# Altium PCB Einsy_Rambo.PcbDoc (part 4 of 5)
Units mm, origin at the board's own origin, x right, y up, seen from the top; angles counter-clockwise.
Board outline 105 x 71 mm, 6 copper layers (Top, GND, Signal Layer 1, Supply, Signal Layer 2, Bottom), stack 1.571 mm thick; 417 components, 292 nets, 1436 pads, 925 vias.
Unrouted connection lines stored in the file: 3.
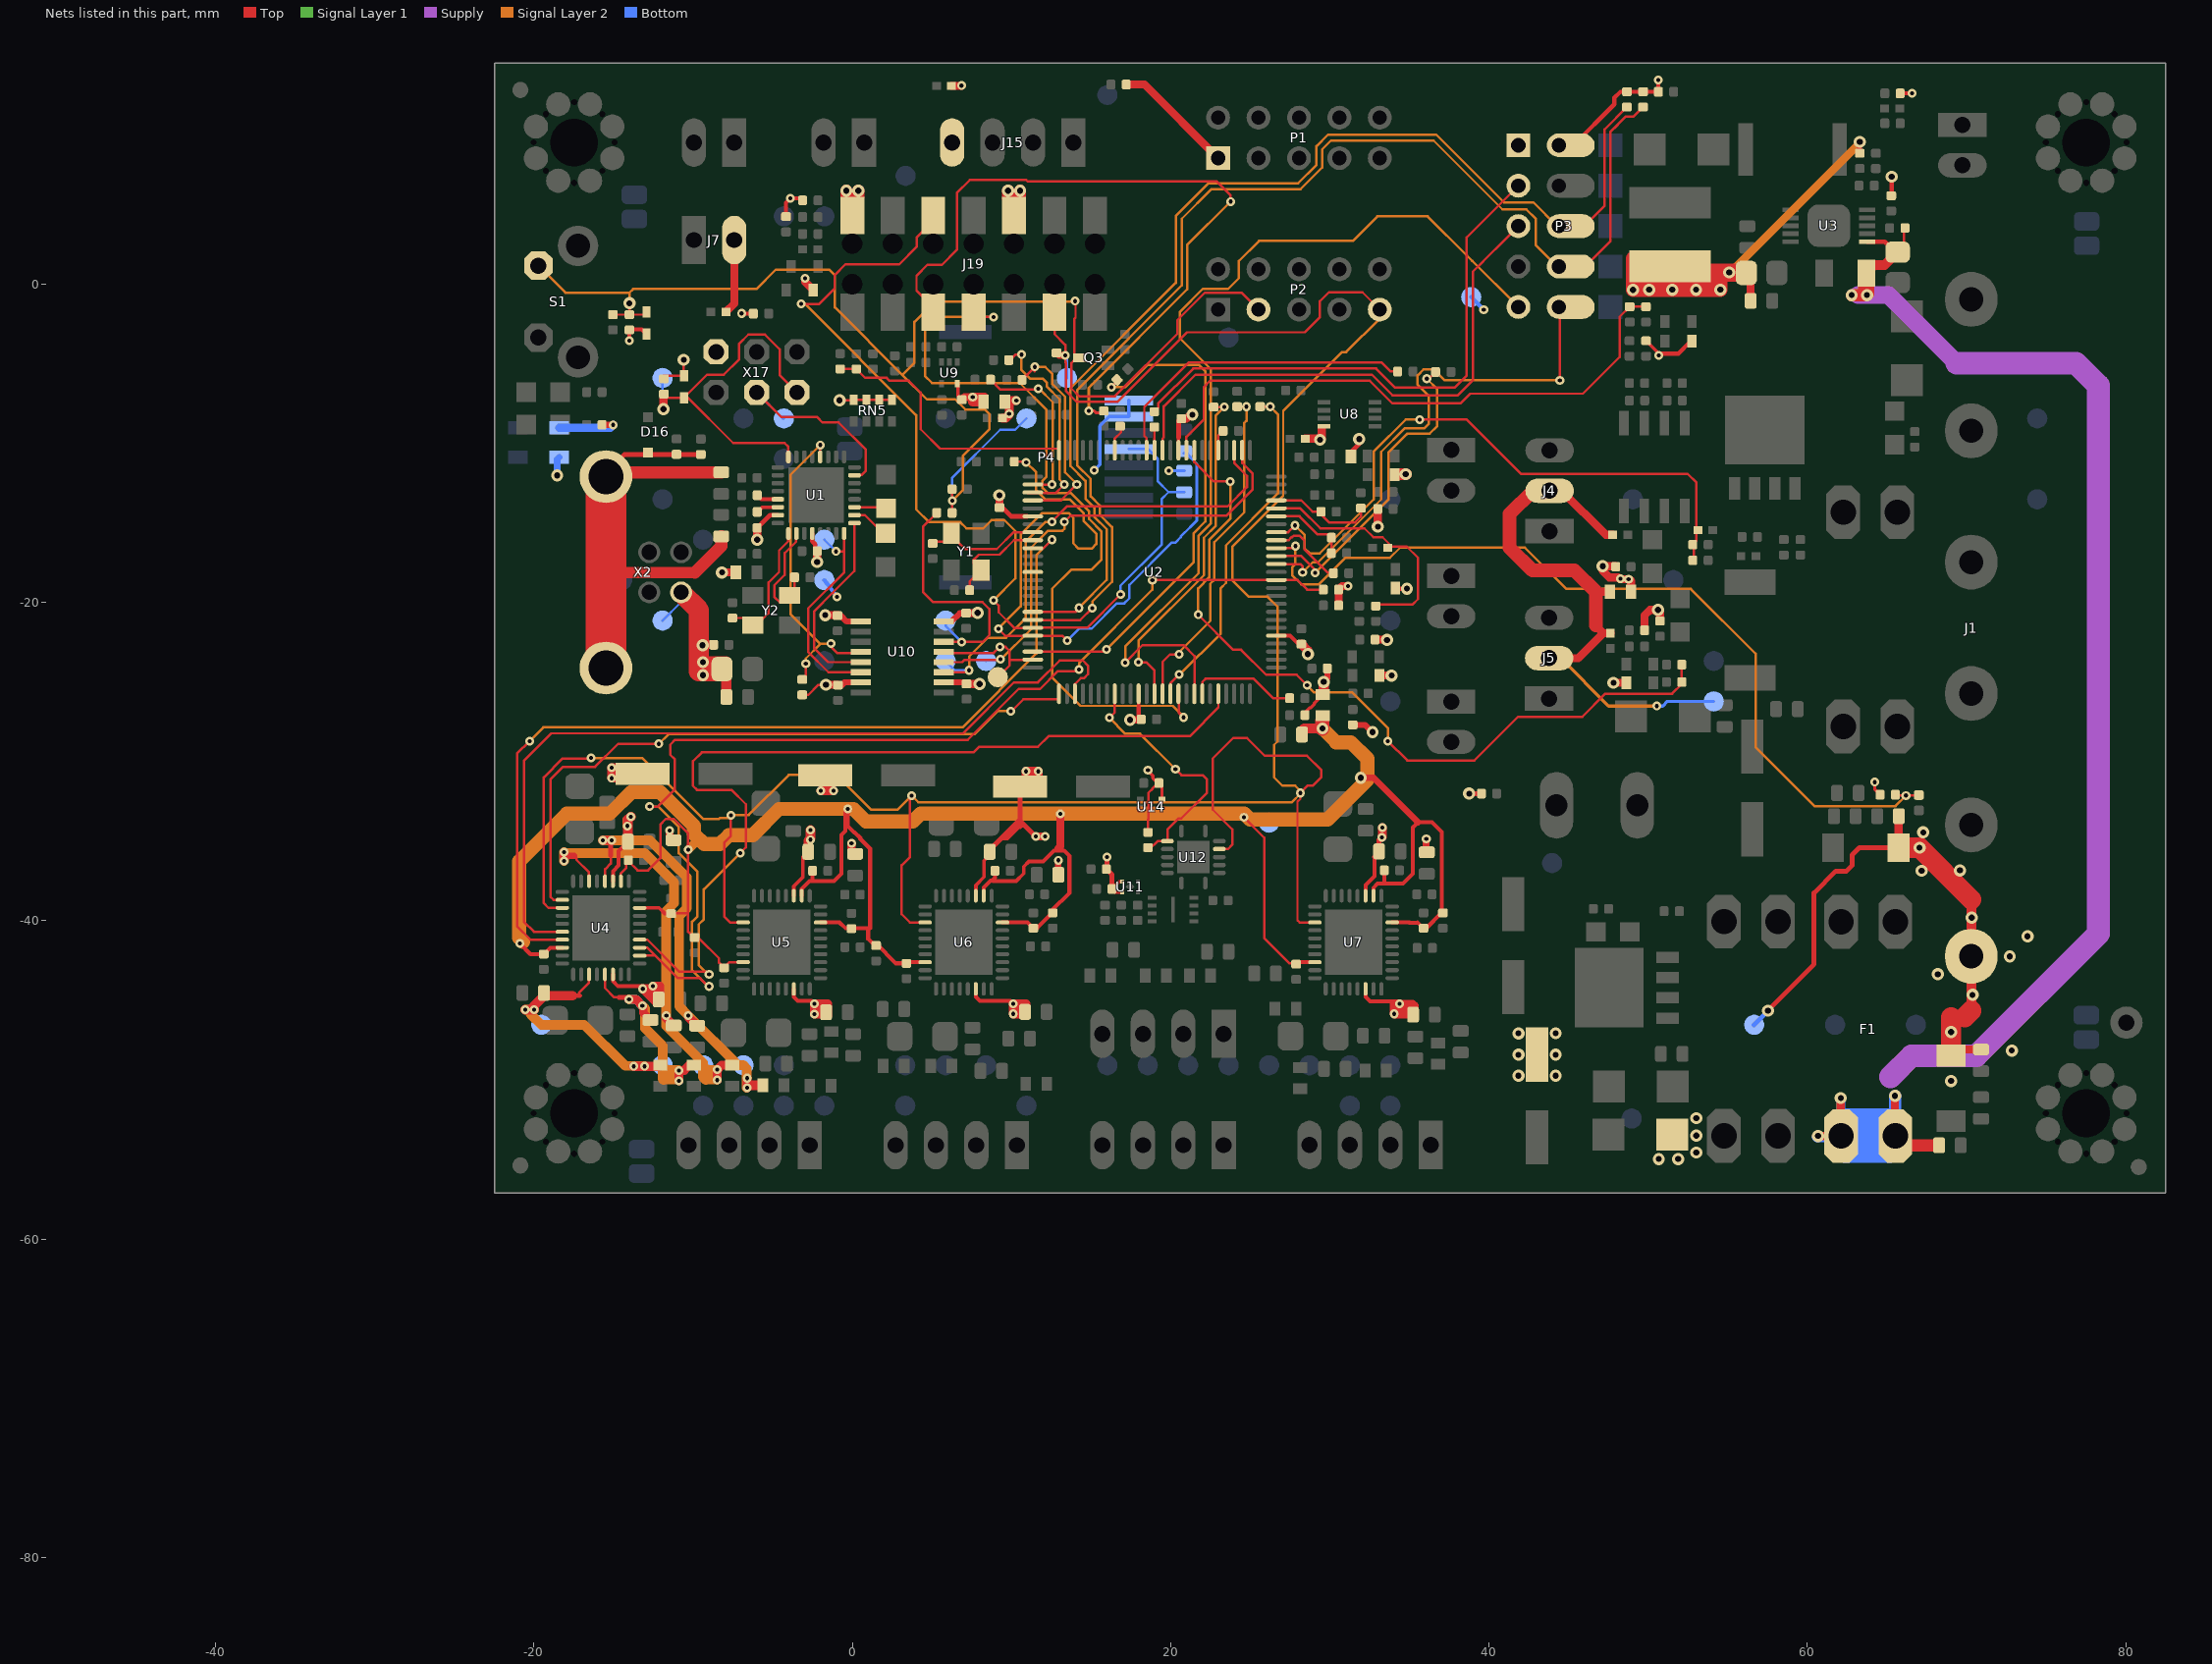
[diagram p8: the nets of this part, all layers, seen from the top]

## Via types
v1: diameter 0.559, hole 0.254, Top to Bottom, tented both sides, 329 vias
v2: diameter 0.559, hole 0.254, Top to Bottom, 314 vias
v3: diameter 0.762, hole 0.381, Top to Bottom, 232 vias
v4: diameter 0.762, hole 0.381, Top to Bottom, tented both sides, 42 vias
v5: diameter 0.737, hole 0.381, Top to Bottom, tented both sides, 4 vias
v6: diameter 0.813, hole 0.381, Top to Bottom, tented both sides, 4 vias

## Nets (pads, with @x,y where several pads share a name; then routed paths per layer and width w, separated by ;. In a path a pad name is that pad's centre, name@x,y a point inside that pad or via, vN(x,y) a via of type N, cw(c..) or ccw(c..) an arc to the next point about the centre after c; other vN are vias at no path point) (continued)
nRESET: C1.1 C10.2 D3.A P2.3 Q3.3 R46.1 RV24.1 S1.1 TP37.TP | length 89.2
  Top w0.152: C1.1@-15.043,-1.919 D3.A@-13.109,-1.919 ; R46.1@-14.278,-1.919 R46.1@-14.103,-1.745 ; R46.1@-14.002,-1.914 v3(-14.002,-1.2) ; C10.2@6.267,-14.37 6.267,-13.621 v1@6.27,-13.618 ; RV24.1@6.27,-12.884 v1@6.27,-13.618 ; v1(6.274,-13.614) v1@6.27,-13.618 ; v1(13.995,-1.067) 14.025,-1.096 14.025,-2.1 13.938,-2.187 13.938,-4.787 13.765,-4.96 13.765,-6.562 14.247,-7.044 16.496,-7.044 20.425,-3.115 20.425,-2.265 22.15,-0.54 24.454,-0.54 P2.3@25.521,-1.607
  Signal Layer 2 w0.152: S1.1@-19.724,1.161 -18.029,-0.533 -13.995,-0.533 ; v3(-14.002,-1.2) -14.002,-0.54 -13.995,-0.533 ; v1(6.274,-13.614) 6.934,-12.954 6.934,-10.791 8.625,-9.1 8.625,-8.175 8.325,-7.875 7.1,-7.875 6.463,-7.238 4.687,-7.238 3.15,-5.7 ; v1(13.995,-1.067) 13.964,-1.099 5.176,-1.099 3.9,-2.375 3.9,-4.95 3.15,-5.7 ; -13.995,-0.533 -13.767,-0.305 -6.02,-0.305 -4.801,0.914 -1.448,0.914 -1.092,0.559 -1.092,-1.458 3.15,-5.7
  Bottom w0.152: v1(6.274,-13.614) 6.274,-12.167 9.29,-9.15 10.23,-9.15 TP37.TP@10.941,-8.439
PC5: R83.2 U2.58 U12.9 | length 15.7
  Top w0.152: v1(16.15,-27.25) 16.487,-26.913 U2.58@16.487,-25.741 ; R83.2@18.7,-35.483 19.183,-35 U12.9@19.794,-35 19.794,-34.272 20.501,-33.565 20.674,-33.565 22.289,-31.95 22.289,-31.114 22.025,-30.85 20.675,-30.85 v1(20.3,-30.475)
  Signal Layer 2 w0.152: v1(16.15,-27.25) 17.15,-28.25 18.075,-28.25 v1(20.3,-30.475)
PD5: FB27.2 U2.48 | length 32.3
  Top w0.152: U2.48@10.987,-23.095 15.818,-23.095 v1(15.97,-22.943) ; v1(16.275,-6.475) 16.634,-6.116 FB27.2@16.634,-6.016
  Signal Layer 2 w0.152: v1(15.97,-22.943) 21.429,-17.484 21.429,-15.664 22.175,-14.918 22.175,-5.475 21.775,-5.075 18.55,-5.075 17.15,-6.475 v1(16.275,-6.475)
PE3: FB37.2 U2.5 | length 1.4
  Top w0.152: U2.5@22.987,-10.441 22.987,-9.549 22.978,-9.539 FB37.2@23.292,-9.225
PF5: FB28.1 U2.92 | length 5.2
  Top w0.152: U2.92@26.637,-16.091 27.416,-16.091 27.607,-15.9 27.635,-15.9 27.737,-15.799 28.092,-15.799 28.398,-16.104 28.398,-16.662 29.857,-18.122 FB28.1@30.377,-18.122
PF6: R60.1 RT1.2 U2.91 | length 54.9
  Top w0.152: U2.91@26.637,-16.591 27.706,-16.591 v1(27.838,-16.459) ; R60.1@65.481,-32.106 65.507,-32.131 v1(66.192,-32.131) 66.98,-32.131 RT1.2@67.005,-32.106
  Signal Layer 2 w0.152: v1(27.838,-16.459) 27.838,-17.602 27.635,-17.805 27.635,-18.298 28.194,-18.857 29.327,-18.857 30.988,-17.196 33.782,-17.196 34.428,-16.55 42.255,-16.55 44.856,-19.152 52.68,-19.152 56.744,-23.216 56.744,-29.083 60.452,-32.791 65.532,-32.791 v1(66.192,-32.131)
PF7: FB26.1 U2.90 | length 20.3
  Top w0.152: U2.90@26.988,-17.091 28.204,-17.091 29.077,-17.964 v2@29.077,-18.117 ; v1(36.093,-5.944) 36.223,-5.944 FB26.1@36.648,-5.518
  Signal Layer 2 w0.152: v2(29.077,-18.142) 33.68,-13.538 33.68,-10.592 34.849,-9.423 34.872,-9.4 36.269,-9.4 ; v1(36.093,-5.944) 36.754,-6.604 36.754,-8.915 36.269,-9.4 ; 36.65,-9.019 36.269,-9.4
PG3: FB31.2 U2.28 | length 13.3
  Top w0.152: FB31.2@9.833,-4.775 9.919,-4.775 10.265,-4.429 v1(10.625,-4.429) ; U2.28@10.987,-13.091 11.034,-13.138 12.77,-13.138 13.303,-12.605 v1@13.361,-12.605
  Signal Layer 2 w0.152: v1(10.625,-4.429) 10.625,-5.398 11.177,-5.95 11.982,-5.95 12.211,-6.179 12.211,-6.433 13.02,-7.242 13.02,-12.275 v1(13.324,-12.579)
PG4: FB29.2 U2.29 | length 13.7
  Top w0.152: FB29.2@10.662,-6.026 11.335,-5.353 v1@11.449,-5.467 ; U2.29@10.987,-13.591 13.104,-13.591 14.095,-12.601 v1(14.101,-12.601)
  Signal Layer 2 w0.152: v1(11.475,-5.2) 12.121,-5.2 12.567,-5.645 12.567,-6.28 ; 12.567,-6.128 12.567,-6.28 ; v1(14.101,-12.601) 14.101,-12.564 13.371,-11.834 13.371,-7.085 12.567,-6.28
PH2: FB24.1 U2.14 | length 19.7
  Top w0.152: U2.14@18.487,-10.091 18.487,-9.675 18.343,-9.531 18.343,-7.712 21.121,-4.934 33.268,-4.934 33.827,-5.493 FB24.1@34.266,-5.493
PH6: FB25.2 U2.18 | length 1.8
  Top w0.152: U2.18@16.487,-10.441 16.487,-9.702 16.875,-9.314 FB25.2@16.875,-8.85
PH7: FB30.1 U2.27 | length 11.2
  Top w0.152: FB30.1@8.678,-6.001 9.313,-6.636 11.627,-6.636 v1(11.678,-6.585) ; U2.27@10.987,-12.591 12.413,-12.591 v1@12.421,-12.599
  Signal Layer 2 w0.152: v1(11.678,-6.585) 11.754,-6.585 12.593,-7.424 12.593,-12.523 v1(12.537,-12.579) ; v1@12.421,-12.599 v1@12.421,-12.579
PJ2: FB33.1 U2.65 | length 22
  Top w0.152: U2.65@20.003,-26.092 20.003,-25.056 v1(20.523,-24.536) ; FB33.1@25.622,-7.7 v2(26.255,-7.7)
  Signal Layer 2 w0.152: v1(20.523,-24.536) 20.574,-24.536 23.15,-21.96 23.15,-19.1 23.475,-18.775 23.475,-16.42 26.74,-13.155 26.74,-8.185 v2(26.255,-7.7)
PJ3: J19.7 U2.66 | length 49.8
  Top w0.152: J19.7@7.182,-2.064 v1(8.884,-2.064) ; U2.66@20.511,-26.092 20.511,-26.936 v1(20.8,-27.225)
  Signal Layer 2 w0.152: v1(8.884,-2.064) 5.145,-2.064 4.56,-2.649 4.56,-5.768 5.012,-6.22 10.525,-6.22 12.186,-7.881 12.186,-12.121 11.957,-12.351 11.957,-12.808 12.287,-13.138 13.739,-13.138 14.878,-14.277 14.878,-14.762 15.655,-15.539 15.655,-17.309 15.014,-17.95 13.75,-17.95 12.555,-19.145 12.555,-24.709 14.345,-26.499 20.124,-26.499 20.8,-27.175 v1(20.8,-27.225)
PJ5: P3.9 U2.68 | length 59.6
  Top w0.152: v2(17.145,-23.774) 18.237,-22.682 20.803,-22.682 21.502,-23.382 U2.68@21.502,-26.092
  Signal Layer 2 w0.152: v2(17.145,-23.774) 17.145,-22.769 21.759,-18.154 21.759,-15.801 22.511,-15.049 22.511,-6.047 22.525,-6.033 22.525,-5.35 20.59,-3.415 20.59,-1.735 22.025,-0.3 23.607,-0.3 24.282,0.375 24.282,1.448 25.552,2.718 31.445,2.718 32.988,4.261 36.148,4.261 38.621,1.788 38.621,1.78 38.941,1.46 38.948,1.46 41.743,-1.335 P3.9@41.743,-1.436
PK0: P3.10 U2.89 | length 32.7
  Top w0.152: U2.89@26.988,-17.591 28.158,-17.591 28.296,-17.729 28.296,-18.11 v1(28.289,-18.117) ; P3.10@44.283,-1.436 44.45,-1.603 v1(44.45,-6.045)
  Signal Layer 2 w0.152: v1(28.289,-18.117) 28.925,-17.481 29.271,-17.481 33.223,-13.528 33.223,-10.541 34.696,-9.068 35.916,-9.068 36.22,-8.763 36.22,-7.036 35.509,-6.325 35.509,-5.74 35.89,-5.359 36.525,-5.359 37.211,-6.045 v1(44.45,-6.045) v1@44.431,-6.026
PROC_nCS: J19.5 R34.1 | length 46.3
  Top w0.152: J19.5@5.188,-1.569 4.032,-0.413 4.032,0.527 4.718,1.213 5.632,1.213 6.572,2.153 ; 6.572,2.965 6.572,2.153 ; v1(23.762,5.188) 23.762,5.575 22.876,6.461 11.002,6.461 10.916,6.547 7.385,6.547 6.572,5.734 6.572,2.153
  Top w0.178: v1(14.85,-7.975) 15.2,-7.975 15.3,-8.075 R34.1@15.8,-8.075
  Signal Layer 2 w0.152: 15.036,-6.325 21.032,-0.329 21.032,2.458 v1(23.762,5.188)
  Signal Layer 2 w0.178: v1(14.85,-7.975) 14.85,-6.511 15.036,-6.325
PWR-IN: C84.1 C86.1 FB1.1 FB2.1 J1.1 TP66.TP | length 35.6
  Top w0.305: v3(57.525,-45.65) 57.525,-45.625 60.42,-42.729 60.42,-38.259 61.792,-36.887 62.452,-36.887 62.808,-36.532 62.808,-35.871 63.265,-35.414 FB2.1@65.731,-35.414
  Top w0.508: FB2.1@65.731,-35.414 65.731,-33.45 C86.1@65.748,-33.433 ; FB1.1@69.031,-48.467 69.403,-48.094 C84.1@70.91,-48.094
  Top w0.61: 70.301,-45.65 J1.1@70.301,-42.262 ; J1.1@70.301,-41.263 70.301,-38.665
  Top w1.27: FB2.1@65.731,-35.414 v3(67.05,-35.414) 70.301,-38.665 ; FB1.1@69.031,-48.467 v3(69.031,-46.996) 69.031,-46.057 ; 69.894,-46.057 70.301,-45.65
  Bottom w0.305: TP66.TP@56.661,-46.539 v3@57.537,-45.663
  other v3: 69.031,-50.07 72.847,-48.158 70.377,-44.66 68.193,-43.364 72.714,-42.247 73.831,-40.977 70.326,-39.808 67.177,-36.862 69.59,-36.836 67.278,-34.449
PWR_MON: C121.1 R53.1 R66.1 U2.93 | length 39.8
  Top w0.152: U2.93@26.637,-15.591 27.386,-15.591 v2(27.813,-15.164) ; v2(35.655,-8.515) 38.602,-8.515 42.005,-11.919 52.47,-11.919 53.029,-12.478 53.029,-16.11 R53.1@52.705,-16.434 ; R66.1@52.752,-17.355 52.864,-17.243 R53.1@52.864,-16.364
  Signal Layer 2 w0.152: v2(27.813,-15.164) 28.423,-15.773 28.423,-16.612 28.727,-16.916 29.368,-16.916 32.753,-13.531 32.753,-10.528 34.766,-8.515 v2(35.655,-8.515)
RD+: R2.2 U1.29 | length 1.4
  Top w0.229: R2.2@-5.975,-13.265 -5.725,-13.515 U1.29@-4.68,-13.515
RD-: R1.2 U1.30 | length 1.5
  Top w0.229: R1.2@-5.999,-14.376 -5.638,-14.015 U1.30@-4.68,-14.015
RESET2: D4.A R47.1 TP44.TP U1.24 X17.5 | length 24.1
  Top w0.152: -11.868,-7.225 -11.798,-7.155 D4.A@-10.568,-7.155 -10.568,-7.139 -9.125,-5.696 -8.084,-5.696 -7.105,-4.717 -7.105,-3.739 -6.533,-3.167 -5.493,-3.167 -4.565,-4.095 -4.565,-5.707 X17.5@-3.473,-6.799 ; D4.A@-10.441,-7.028 -7.489,-9.98 -4.254,-9.98 -4.02,-10.215 U1.24@-4.02,-10.852
  Top w0.508: v4(-11.868,-7.855) -11.868,-7.225
  Signal Layer 2 w0.152: v4@-11.919,-7.804 v4(-11.868,-7.855)
  Bottom w0.152: v4@-11.919,-7.804 TP44.TP@-11.919,-5.899
RST-IO: C10.1 TP29.TP U10.14 | length 16.4
  Top w0.152: C10.1@5.31,-14.37 4.445,-15.235 4.445,-19.355 5.08,-19.99 8.179,-19.99 8.611,-20.422 8.611,-22.047 8.186,-22.472 U10.14@5.737,-22.472
  Bottom w0.152: TP29.TP@5.861,-21.139 5.861,-21.469 v1(6.877,-22.485)
RX0: TP30.TP U2.2 U10.12 | length 31.9
  Top w0.152: U10.12@5.737,-23.754 6.903,-23.754 7.055,-23.603 v1@9.315,-23.603 ; v1(13.329,-14.942) 13.735,-14.535 ; 14.472,-14.535 13.735,-14.535 ; U2.2@24.499,-10.091 24.499,-11.249 25.15,-11.9 25.15,-12.903 23.518,-14.535 13.735,-14.535
  Signal Layer 2 w0.152: v1@9.315,-23.603 11.234,-21.684 11.234,-16.553 12.287,-15.5 13.202,-15.5 13.329,-15.373 v1(13.329,-14.942)
  Bottom w0.152: TP30.TP@8.401,-23.679 8.477,-23.603 v1@9.315,-23.603
  other v1: 9.315,-23.578
RX0-I: TP25.TP U1.9 U10.5 | length 13.9
  Top w0.152: v1(-0.972,-19.641) -1.226,-19.387 ; U1.9@0.142,-15.006 U1.9@0.133,-15.015 0.133,-18.028 -1.226,-19.387 ; U10.5@0.521,-23.754 -1.519,-23.754 -2.39,-22.883 -2.39,-20.551 -1.226,-19.387
  Signal Layer 2 w0.254: v1@-0.997,-19.615 v1(-0.972,-19.641)
  Bottom w0.254: TP25.TP@-1.759,-18.599 v1@-0.997,-19.615
RX1: J19.6 P4.4 R86.1 R87.2 U2.45 | length 62.3
  Top w0.152: v1(-3.226,-1.245) -2.083,-1.245 -1.118,-0.279 -1.118,0.559 -0.432,1.245 2.946,1.245 4.039,2.337 4.039,2.921 5.207,4.089 J19.6@5.283,4.089 ; v1(8.865,-19.863) 9.197,-20.195 9.197,-20.625 10.169,-21.596 U2.45@10.987,-21.596 ; U2.45@11.337,-21.591 14.759,-21.591 v1(16.85,-19.5)
  Signal Layer 2 w0.152: v1(-3.226,-1.245) -2.972,-1.245 4.013,-8.23 4.013,-14.148 4.826,-14.961 6.782,-14.961 7.171,-15.35 8.225,-15.35 8.75,-14.825 9.55,-14.825 10.244,-15.519 10.244,-18.484 v1(8.865,-19.863)
  Bottom w0.152: v1(16.85,-19.5) 16.85,-18.95 19.425,-16.375 19.425,-13.515 19.87,-13.07 ; P4.4@17.375,-10.365 18.58,-10.365 19.2,-10.985 19.2,-12.4 19.87,-13.07 ; R87.2@20.85,-13.07 19.87,-13.07
RX2: P3.5 U2.12 | length 35.7
  Top w0.152: U2.12@19.487,-10.441 19.487,-9.705 19.572,-9.621 19.572,-7.683 21.559,-5.696 32.645,-5.696 33.934,-6.985 38.049,-6.985 38.983,-6.052 38.983,0.782 ; 39.643,1.442 38.983,0.782 ; P3.5@41.743,3.644 41.743,3.542 38.983,0.782
RX3: FB36.1 U2.63 | length 22
  Top w0.152: v1(17.977,-23.755) 18.459,-23.755 18.987,-24.283 U2.63@18.987,-26.092 ; FB36.1@22.701,-7.725 v2(23.359,-7.725)
  Signal Layer 2 w0.152: v1(17.977,-23.755) 17.977,-22.404 22.09,-18.291 22.09,-15.938 22.842,-15.186 22.842,-8.243 v2(23.359,-7.725)
RXL: LED10.C U1.10 | length 2.4
  Top w0.152: U1.10@0.133,-14.515 0.787,-14.515 1.929,-15.657 LED10.C@2.096,-15.657
SCK: J19.11 P2.9 RV18.2 TP55.TP U4.3 U5.3 U6.3 U7.3 U12.5 | length 174.2
  Top w0.152: U4.3@-18.214,-39.192 -19.089,-39.192 -19.387,-38.894 -19.387,-30.994 -18.193,-29.801 -16.415,-29.801 v1(-16.415,-29.775) ; v1@-7.652,-33.357 -7.652,-34.703 -8.03,-35.081 -8.03,-39.761 -7.684,-40.106 U5.3@-6.851,-40.106 ; v1(3.727,-32.137) 3.626,-32.239 3.626,-35.998 3.105,-36.519 3.105,-39.592 3.619,-40.106 U6.3@4.579,-40.106 ; J19.11@12.7,-1.765 12.7,-3.139 13.386,-3.825 v1@13.386,-4.477 ; v1@13.386,-4.483 13.386,-4.904 13.409,-4.927 13.409,-6.709 14.1,-7.4 16.643,-7.4 21.014,-3.029 28.416,-3.029 29.381,-2.064 29.381,-1.073 29.94,-0.514 32.048,-0.514 P2.9@33.141,-1.607 ; U12.5@23.056,-35.5 23.6,-35.5 23.875,-35.225 23.875,-34.253 22.644,-33.022 22.644,-29.803 23.928,-28.519 24.797,-28.519 25.908,-29.631 28.556,-29.631 29.475,-30.55 29.475,-30.975 28.95,-31.5 28.625,-31.5 v1(28.15,-31.975) 28.15,-32.34 27.965,-32.525 27.965,-39.967 28.105,-40.106 U7.3@29.065,-40.106
  Top w0.406: RV18.2@12.825,-4.317 12.984,-4.477 v1(13.379,-4.477)
  Signal Layer 2 w0.152: v1(-16.415,-29.775) -13.202,-29.775 -9.373,-33.604 -8.382,-33.604 -8.331,-33.553 -7.798,-33.553 v1(-7.62,-33.376) ; v1@-7.62,-33.357 -6.509,-33.357 -3.994,-30.842 -0.997,-30.842 1.187,-33.026 2.838,-33.026 v1(3.727,-32.137) 4.146,-32.557 27.591,-32.557 27.603,-32.569 28.198,-31.975 v1(28.15,-31.975) 28.15,-31.946 28.2,-31.896 27.829,-31.525 27.025,-31.525 26.5,-31 26.5,-28.95 26.714,-28.736 26.714,-20.263 26.092,-19.641 24.911,-19.641 23.87,-18.599 23.87,-16.505 27.07,-13.305 27.07,-7.972 30.769,-4.274 31.026,-4.274 33.141,-2.159 P2.9@33.141,-1.607 ; v1(13.379,-4.477) v1@13.481,-4.578
  Bottom w0.152: TP55.TP@13.481,-5.899 v1@13.481,-4.578
SCK2: TP45.TP U1.15 X17.3 | length 13.4
  Top w0.152: X17.3@-5.507,-6.799 X17.3@-6.013,-6.799 -4.449,-8.363 -2.208,-8.363 -1.886,-8.685 -0.868,-8.685 0.844,-10.397 0.844,-11.72 0.569,-11.995 U1.15@0.133,-11.995
  Bottom w0.152: X17.3@-6.013,-6.799 -4.373,-8.439 TP45.TP@-4.299,-8.439
SCL: P3.6 R61.1 U2.43 | length 73.1
  Top w0.152: U2.43@10.987,-20.606 14.04,-20.606 v1@14.294,-20.352 ; P3.6@44.283,3.644 P3.6@44.385,3.644 45.986,3.644 47.263,4.921 47.263,9.724 ; 48.152,10.613 47.263,9.724 ; R61.1@48.666,11.128 47.263,9.724
  Signal Layer 2 w0.152: v1@14.294,-20.352 14.294,-20.267 15.985,-18.576 15.985,-15.402 15.208,-14.625 15.208,-14.033 14.649,-13.474 14.649,-12.371 13.704,-11.426 13.704,-6.541 20.321,0.076 20.321,4.276 22.389,6.344 28.01,6.344 29.159,7.493 29.159,8.661 29.896,9.398 36.678,9.398 40.945,5.131 42.796,5.131 P3.6@44.283,3.644
  other v1: 14.249,-20.345
SD_SS: FB34.2 U2.69 | length 7.2
  Top w0.152: U2.69@21.987,-25.741 21.987,-25.005 22.194,-24.798 25.217,-24.798 26.435,-26.016 FB34.2@27.476,-26.016 ; U2.69@22.01,-26.092 U2.69@22.01,-25.741
SDA: P3.8 R51.1 U2.44 | length 77.8
  Top w0.152: U2.44@10.987,-21.114 14.319,-21.114 v1(15.081,-20.352) ; P3.8@44.283,1.104 P3.8@44.385,1.104 46.036,1.104 47.619,2.686 47.619,9.544 ; 48.101,10.027 47.619,9.544 ; R51.1@49.682,11.128 49.089,10.535 48.609,10.535 47.619,9.544
  Signal Layer 2 w0.152: v1(15.081,-20.352) 15.081,-19.947 16.316,-18.713 16.316,-15.266 15.55,-14.5 15.55,-13.908 14.98,-13.338 14.98,-12.234 14.121,-11.375 14.121,-6.658 20.702,-0.077 20.702,4.111 22.56,5.969 28.169,5.969 29.515,7.315 29.515,8.458 30.074,9.017 36.525,9.017 40.843,4.699 42.342,4.699 42.926,4.115 42.926,2.461 P3.8@44.283,1.104
TACH_0: C42.1 R44.1 U2.8 | length 50.9
  Top w0.152: U2.8@21.487,-10.441 21.487,-11.178 22.71,-12.4 v1(23.75,-12.4) ; U2.8@21.502,-10.441 U2.8@21.502,-10.091 ; v1(21.725,-20.775) 23.925,-22.975 24.423,-22.975 25.991,-24.543 27.908,-24.543 v1(28.569,-25.203) ; v1(33.649,-28.708) 34.868,-29.928 39.084,-29.928 41.827,-27.184 45.866,-27.184 47.314,-25.737 51.505,-25.737 52.112,-25.13 R44.1@52.112,-25 52.112,-23.913 C42.1@52.107,-23.908
  Signal Layer 2 w0.152: v1(21.725,-20.775) 21.725,-19.123 22.42,-18.428 22.42,-16.074 23.75,-14.744 v1(23.75,-12.4) ; v1(28.569,-25.203) 29.026,-25.66 31.413,-25.66 33.649,-27.896 v1(33.649,-28.708)
TACH_1: C43.1 R45.1 U2.9 | length 36.6
  Top w0.152: U2.9@20.994,-10.091 20.994,-9.588 22.075,-8.507 22.075,-6.475 22.483,-6.066 32.508,-6.066 33.934,-7.493 38.202,-7.493 38.811,-6.883 45.898,-6.883 48.209,-4.572 48.209,-2.047 R45.1@48.838,-1.419 ; R45.1@48.857,-1.424 C43.1@49.868,-1.424
THERM0: C59.1 R6.2 U2.97 | length 6.3
  Top w0.152: U2.97@26.988,-13.591 28.209,-13.591 28.917,-14.299 C59.1@29.446,-14.299 29.446,-14.473 29.94,-14.967 31.591,-14.967 31.947,-14.611 R6.2@31.947,-14.078 R6.2@31.972,-14.103
THERM1: C56.1 R37.2 U2.96 | length 15.3
  Top w0.152: U2.96@26.988,-14.091 28.15,-14.091 29.407,-15.348 32.175,-15.348 32.734,-15.907 33.318,-15.907 33.903,-16.491 34.83,-16.491 35.535,-17.196 35.535,-19.793 35.204,-20.123 32.988,-20.123 R37.2@32.887,-20.225
  Top w0.254: R37.2@32.887,-20.326 R37.2@32.937,-20.276
THERM2: C4.1 R39.2 U2.95 | length 4.6
  Top w0.152: U2.95@26.988,-14.591 28.091,-14.591 29.229,-15.729 29.897,-15.729 C4.1@30.1,-15.932 30.1,-16.89 R39.2@30.093,-16.897
TX0: TP31.TP U2.3 U10.11 | length 33.1
  Top w0.152: U10.11@5.737,-24.389 7.208,-24.389 v1(7.334,-24.263) ; v1(12.541,-14.942) 12.541,-14.916 13.481,-13.976 ; 14.624,-13.976 13.481,-13.976 ; U2.3@23.991,-10.091 23.991,-11.244 24.794,-12.047 24.794,-12.756 23.574,-13.976 13.481,-13.976
  Signal Layer 2 w0.152: v1(7.334,-24.263) 7.334,-23.4 8.509,-22.225 9.652,-22.225 10.904,-20.973 10.904,-16.172 12.135,-14.942 v1(12.541,-14.942)
  Bottom w0.152: TP31.TP@5.861,-23.679 6.445,-24.263 v1(7.334,-24.263)
TX0-I: TP26.TP U1.8 U10.6 | length 13.7
  Top w0.152: v1(-1.022,-16.796) -0.529,-16.796 ; U1.8@-0.517,-15.665 -0.529,-15.677 -0.529,-16.796 ; U10.6@0.521,-24.389 -1.504,-24.389 -2.775,-23.118 -2.775,-20.377 -0.529,-18.131 -0.529,-16.796
  Bottom w0.152: TP26.TP@-1.759,-16.059 v1(-1.022,-16.796)
TX1: R80.1 R85.1 U2.46 | length 43.5
  Top w0.152: v1@9.163,-21.66 9.608,-22.104 U2.46@10.987,-22.104 ; R80.1@10.176,-11.157 10.878,-11.157 v2(10.922,-11.201) ; U2.46@11.337,-22.091 13.191,-22.091 v1(13.5,-22.4)
  Signal Layer 2 w0.152: v1@9.163,-21.66 10.574,-20.249 10.574,-15.74 11.932,-14.383 13.583,-14.383 13.887,-14.688 13.887,-16.288 ; v2(10.922,-11.201) 11.551,-11.83 11.551,-12.96 12.135,-13.545 13.678,-13.545 14.548,-14.414 14.548,-14.899 15.325,-15.676 15.325,-16.325 15.032,-16.618 14.218,-16.618 13.887,-16.288 ; 13.887,-15.881 13.887,-16.288